# KiCad board 6502PC-6U.kicad_pcb (continued)
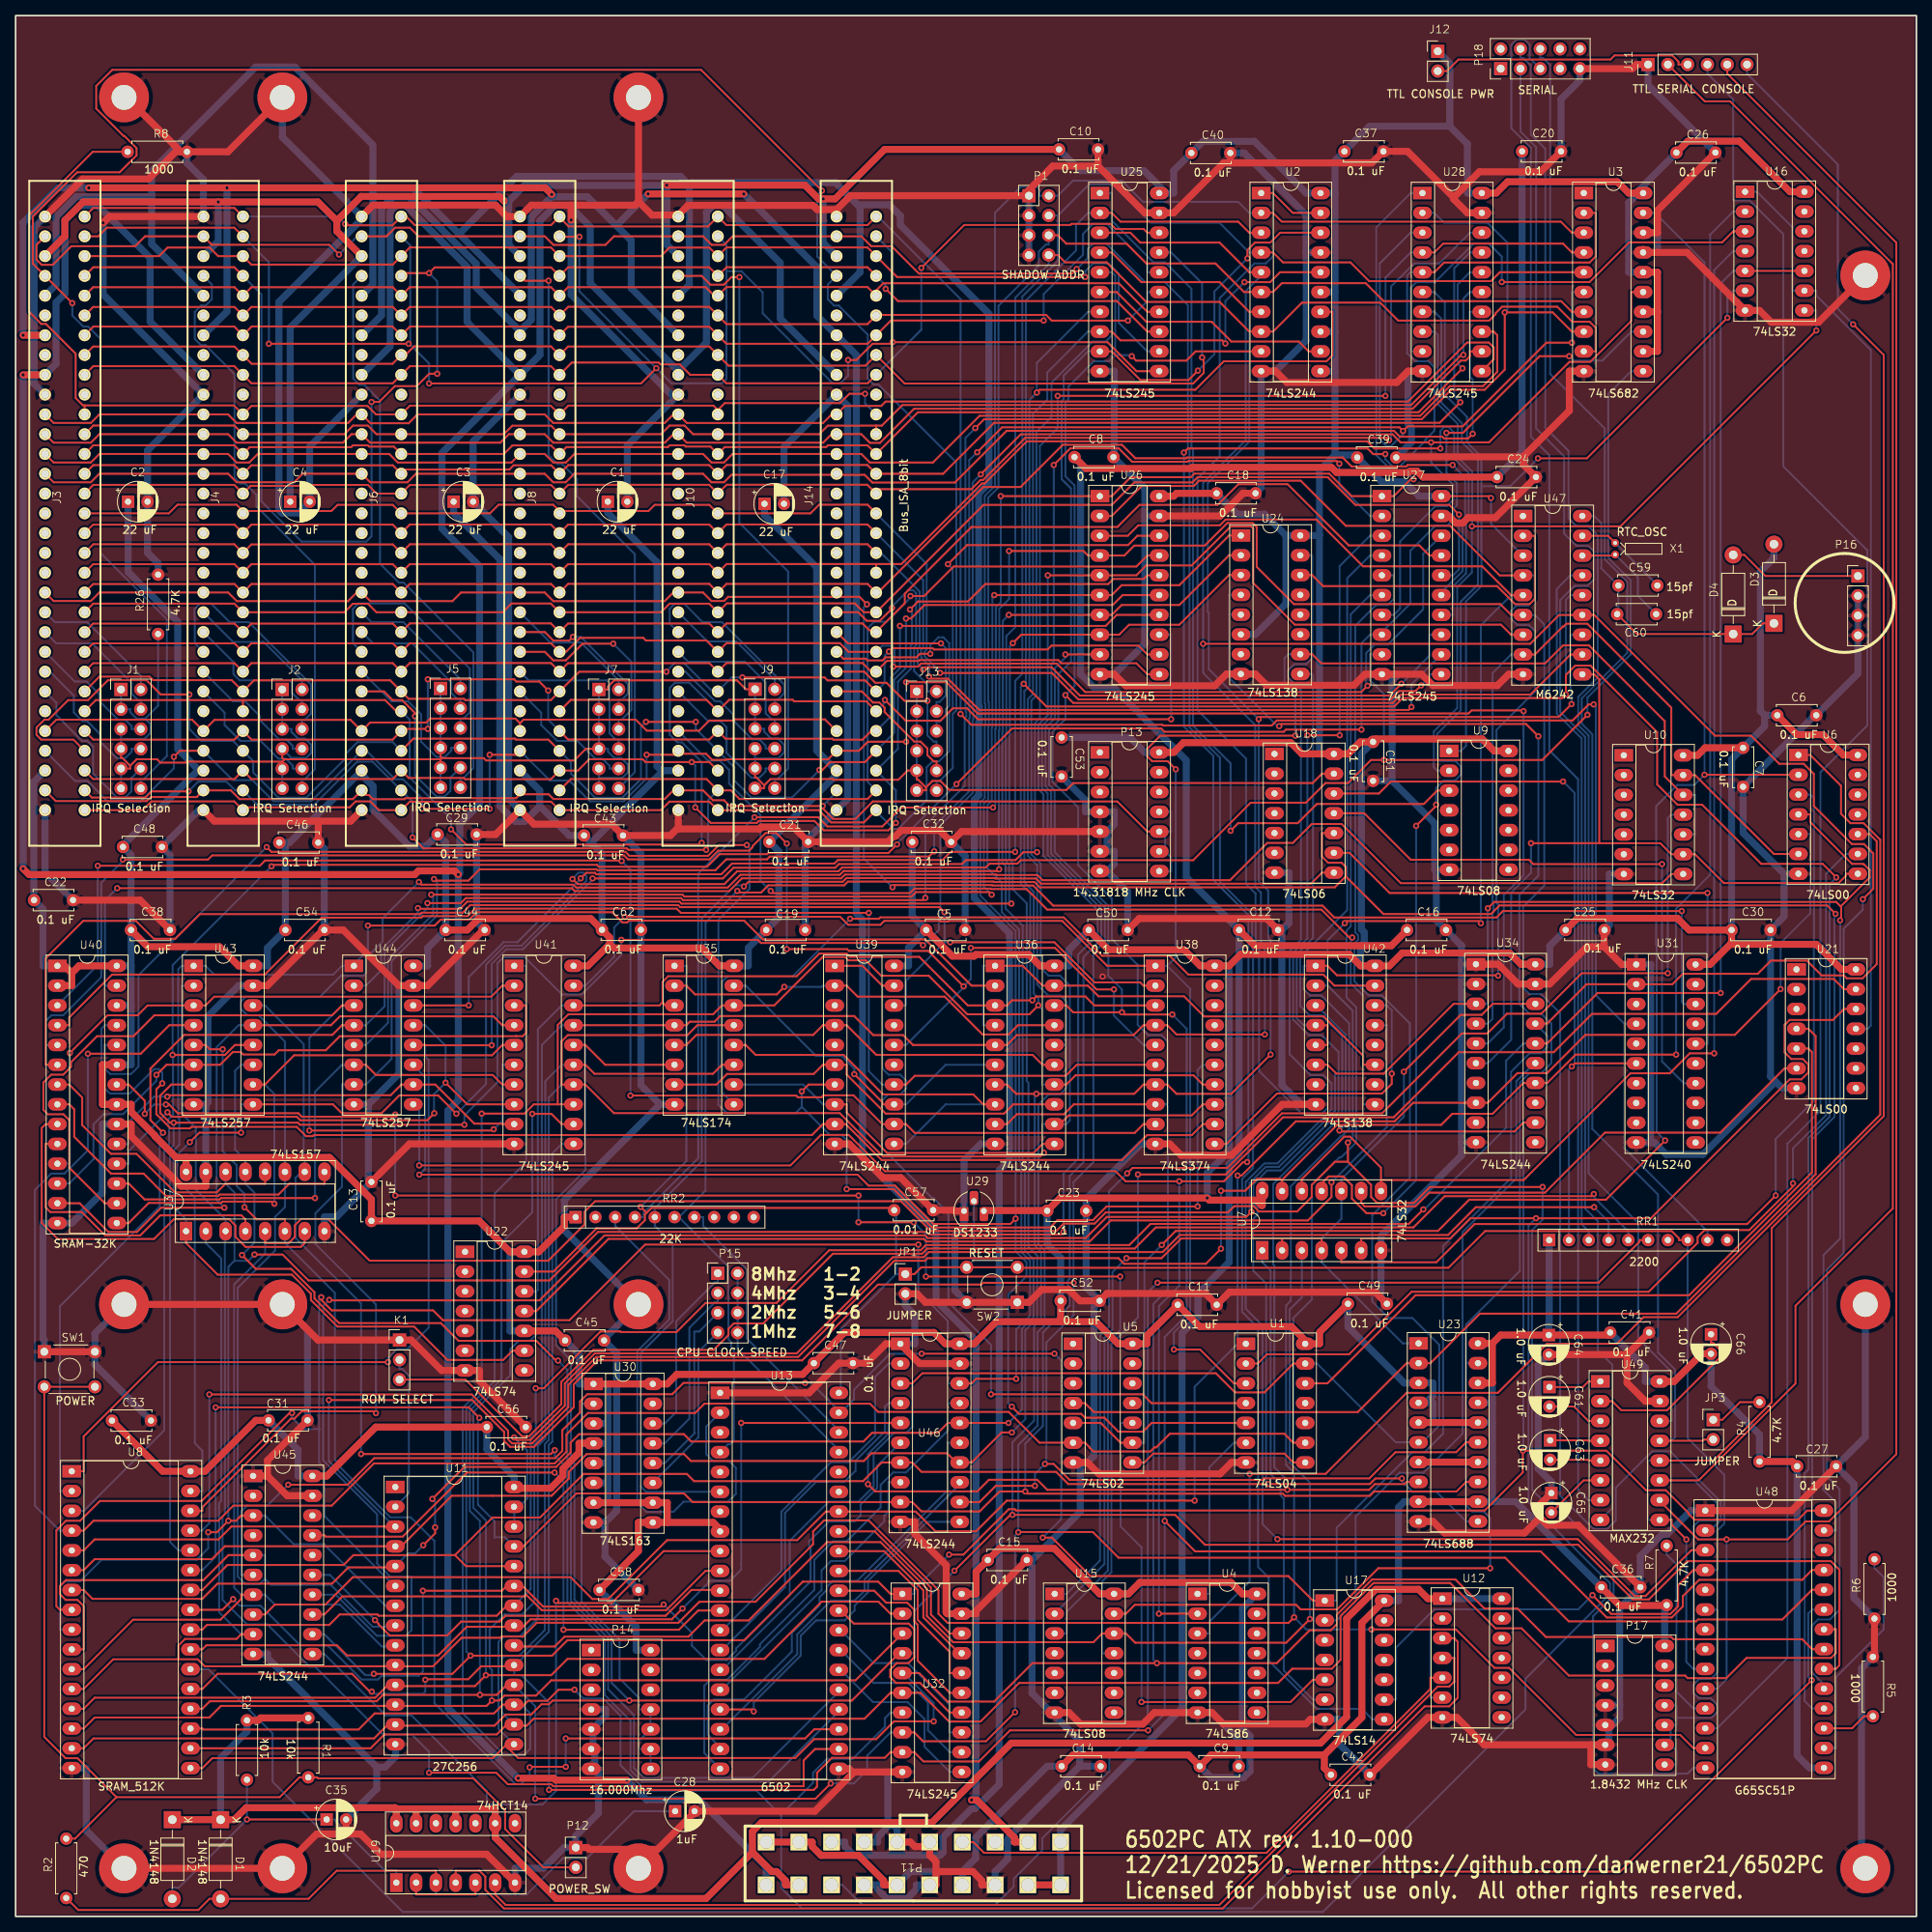
[diagram p0: board, top side]
## Library data of the parts
C1-C4 C17 C28 C35 C61 C63-C66 = -: Description: Polarized capacitor; ki_fp_filters: CP_*
C5-C16 C18-C27 C29-C33 C36-C54 C56-C60 C62 = -: Description: Unpolarized capacitor; ki_fp_filters: C_*
D1 D2 = -: Description: Diode; Sim.Device: D; Sim.Pins: 1=K 2=A; ki_fp_filters: TO-???* *_Diode_* *SingleDiode* D_*
D3 D4 = -: Description: Diode; Sim.Pins: 1=K 2=A; ki_fp_filters: TO-???* *_Diode_* *SingleDiode* D_*
J1 J2 J5 J7 J9 J13 = -: Description: Generic connector, double row, 02x06, odd/even pin numbering scheme (row 1 odd numbers, row 2 even numbers), script generated (kicad-library-utils/schlib/autogen/connector/); ki_fp_filters: Connector*:*_2x??_*
J3 J4 J6 J8 J10 J14 = -: Datasheet: https://en.wikipedia.org/wiki/Industry_Standard_Architecture; Description: 8-bit ISA-PC bus connector
J11 = -: Description: Generic connector, single row, 01x06, script generated (kicad-library-utils/schlib/autogen/connector/); ki_fp_filters: Connector*:*_1x??_*
J12 JP1 P12 = -: Description: Generic connector, single row, 01x02, script generated (kicad-library-utils/schlib/autogen/connector/); ki_fp_filters: Connector*:*_1x??_*
JP3 = -: Description: Jumper, 2-pole, open; ki_fp_filters: Jumper* TestPoint*2Pads* TestPoint*Bridge*
K1 = -: Description: Generic connector, single row, 01x03, script generated (kicad-library-utils/schlib/autogen/connector/); ki_fp_filters: Connector*:*_1x??_*
P1 P15 = -: Description: Generic connector, double row, 02x04, odd/even pin numbering scheme (row 1 odd numbers, row 2 even numbers), script generated (kicad-library-utils/schlib/autogen/connector/); ki_fp_filters: Connector*:*_2x??_*
P2-P10 P21-P23 = -: Description: Mounting Hole with connection; ki_fp_filters: MountingHole*Pad*
P11 = -: Description: Generic connector, double row, 02x10, odd/even pin numbering scheme (row 1 odd numbers, row 2 even numbers), script generated (kicad-library-utils/schlib/autogen/connector/); ki_fp_filters: Connector*:*_2x??_*
P16 = -: Description: Generic connector, single row, 01x04, script generated (kicad-library-utils/schlib/autogen/connector/); ki_fp_filters: Connector*:*_1x??_*
P18 = -: Description: Generic connector, double row, 02x05, odd/even pin numbering scheme (row 1 odd numbers, row 2 even numbers), script generated (kicad-library-utils/schlib/autogen/connector/); ki_fp_filters: Connector*:*_2x??_*
R1-R8 R26 = -: Description: Resistor; ki_fp_filters: R_*
RR1 RR2 = -: Datasheet: http://www.vishay.com/docs/31509/csc.pdf; Description: 9 resistor network, star topology, bussed resistors, small symbol; ki_fp_filters: R?Array?SIP*
SW1 SW2 = -: Description: Push button switch, generic, two pins
U1 = -: Datasheet: http://www.ti.com/lit/gpn/sn74LS04; Description: Hex Inverter; ki_fp_filters: DIP*W7.62mm* SSOP?14* TSSOP?14*
U2 U34 U36 U39 U45 U46 = -: Datasheet: http://www.ti.com/lit/ds/symlink/sn74ls244.pdf; Description: Octal Buffer and Line Driver With 3-State Output, active-low enables, non-inverting outputs; ki_fp_filters: DIP?20*
U4 = -: Datasheet: 74xx/74ls86.pdf; Description: Quad 2-input XOR; ki_fp_filters: DIP*W7.62mm*
U5 = -: Datasheet: http://www.ti.com/lit/gpn/sn74ls02; Description: quad 2-input NOR gate; ki_fp_filters: SO14* DIP*W7.62mm*
U6 U21 = -: Datasheet: http://www.ti.com/lit/gpn/sn74ls00; Description: quad 2-input NAND gate; ki_fp_filters: DIP*W7.62mm* SO14*
U7 U10 U16 = -: Datasheet: http://www.ti.com/lit/gpn/sn74LS32; Description: Quad 2-input OR; ki_fp_filters: DIP?14*
U8 = -: Datasheet: https://www.alliancememory.com/wp-content/uploads/pdf/AS6C4008.pdf; Description: 512K x 8 Low Power CMOS RAM, DIP-32; ki_fp_filters: DIP*W15.24mm*
U9 U15 = -: Datasheet: http://www.ti.com/lit/gpn/sn74LS08; Description: Quad And2; ki_fp_filters: DIP*W7.62mm*
U11 = -: Datasheet: http://ww1.microchip.com/downloads/en/DeviceDoc/doc0014.pdf; Description: OTP EPROM 256 KiBit; ki_fp_filters: DIP*W15.24mm*
U12 U22 = -: Datasheet: 74xx/74hc_hct74.pdf; Description: Dual D Flip-flop, Set & Reset; ki_fp_filters: DIP*W7.62mm*
U13 = -: Datasheet: http://www.6502.org/documents/datasheets/mos/mos_6500_mpu_mar_1980.pdf; Description: 8-bit NMOS Microprocessor, 64K, DIP-40; ki_fp_filters: DIP*W15.24mm*
U17 U19 = -: Datasheet: http://www.ti.com/lit/gpn/sn74LS14; Description: Hex inverter schmitt trigger; ki_fp_filters: DIP*W7.62mm*
U18 = -: Datasheet: http://www.ti.com/lit/gpn/sn74LS06; Description: Inverter Open Collect; ki_fp_filters: DIP*W7.62mm*
U23 = -: Datasheet: http://www.ti.com/lit/gpn/sn74LS688; Description: 8-bit magnitude comparator; ki_fp_filters: DIP?20* SOIC?20* SO?20* TSSOP?20*
U24 U42 = -: Datasheet: http://www.ti.com/lit/gpn/sn74LS138; Description: Decoder 3 to 8 active low outputs; ki_fp_filters: DIP?16*
U25-U28 U32 U41 = -: Datasheet: http://www.ti.com/lit/gpn/sn74LS245; Description: Octal BUS Transceivers, 3-State outputs; ki_fp_filters: DIP?20*
U29 = -: ki_fp_filters: Connector*:*_1x??_*
U30 = -: Datasheet: http://www.ti.com/lit/gpn/sn74LS163; Description: Synchronous 4-bit programmable binary Counter; ki_fp_filters: DIP?16*
U31 = -: Datasheet: http://www.ti.com/lit/ds/symlink/sn74ls240.pdf; Description: Octal Buffer and Line Driver With 3-State Output, active-low enables, inverting outputs; ki_fp_filters: DIP?20*
U35 = -: Datasheet: http://www.ti.com/lit/gpn/sn74LS174; Description: Hex D-type Flip-Flop, reset; ki_fp_filters: DIP?16*
U37 = -: Datasheet: http://www.ti.com/lit/gpn/sn74LS157; Description: Quad 2 to 1 line Multiplexer; ki_fp_filters: DIP?16*
U38 = -: Datasheet: http://www.ti.com/lit/gpn/sn74LS374; Description: 8-bit Register, 3-state outputs; ki_fp_filters: DIP?20* SOIC?20* SO?20*
U40 = -: Datasheet: https://ecee.colorado.edu/~mcclurel/Cypress_SRAM_CY62256.pdf; Description: 256K (32K x 8) Static RAM, 70ns, DIP-28; ki_fp_filters: DIP*W15.24mm*
U43 U44 = -: Datasheet: http://www.ti.com/lit/gpn/sn74LS257; Description: Quad 2 to 1 Multiplexer; ki_fp_filters: DIP?16*
U48 = -: Datasheet: http://www.westerndesigncenter.com/wdc/documentation/w65c51n.pdf; Description: CMOS Asynchronous Communication Interface Adapter (ACIA), Serial UART, DIP-28; ki_fp_filters: DIP*W15.24mm*
U49 = -: Datasheet: http://www.ti.com/lit/ds/symlink/max232.pdf; Description: Dual RS232 driver/receiver, 5V supply, 120kb/s, 0C-70C; ki_fp_filters: SOIC*P1.27mm* DIP*W7.62mm* TSSOP*4.4x5mm*P0.65mm*
X1 = -: Description: Two pin crystal; Field1: 32.768 KHz; ki_fp_filters: Crystal*

## Footprints (pads in the part's own frame, mm; a bottom-side part is the same pattern mirrored in y, then rotated)
ATXConnector
  rect 2.126x2.126 hole 1.699: 1(-19.164,2.725) 2(-19.164,-2.776) 3(-14.963,2.725) 4(-14.963,-2.776) 5(-10.765,2.725) 6(-10.765,-2.776) 7(-6.563,2.725) 8(-6.563,-2.776) 9(-2.365,2.725) 10(-2.365,-2.776) 11(1.836,2.725) 12(1.836,-2.776) 13(6.035,2.725) 14(6.035,-2.776) 15(10.236,2.725) 16(10.236,-2.776) 17(14.435,2.725) 18(14.435,-2.776) 19(18.636,2.725) 20(18.636,-2.776)
BUSPC_HOST
  round 1.524 hole 1.016: 1(36.068,2.032) 2(33.528,2.032) 3(30.988,2.032) 4(28.448,2.032) 5(25.908,2.032) 6(23.368,2.032) 7(20.828,2.032) 8(18.288,2.032) 9(15.748,2.032) 10(13.208,2.032) 11(10.668,2.032) 12(8.128,2.032) 13(5.588,2.032) 14(3.048,2.032) 15(0.508,2.032) 16(-2.032,2.032) 17(-4.572,2.032) 18(-7.112,2.032) 19(-9.652,2.032) 20(-12.192,2.032) 21(-14.732,2.032) 22(-17.272,2.032) 23(-19.812,2.032) 24(-22.352,2.032) 25(-24.892,2.032) 26(-27.432,2.032) 27(-29.972,2.032) 28(-32.512,2.032) 29(-35.052,2.032) 30(-37.592,2.032) 31(-40.132,2.032) 32(36.068,-3.048) 33(33.528,-3.048) 34(30.988,-3.048) 35(28.448,-3.048) 36(25.908,-3.048) 37(23.368,-3.048) 38(20.828,-3.048) 39(18.288,-3.048) 40(15.748,-3.048) 41(13.208,-3.048) 42(10.668,-3.048) 43(8.128,-3.048) 44(5.588,-3.048) 45(3.048,-3.048) 46(0.508,-3.048) 47(-2.032,-3.048) 48(-4.572,-3.048) 49(-7.112,-3.048) 50(-9.652,-3.048) 51(-12.192,-3.048) 52(-14.732,-3.048) 53(-17.272,-3.048) 54(-19.812,-3.048) 55(-22.352,-3.048) 56(-24.892,-3.048) 57(-27.432,-3.048) 58(-29.972,-3.048) 59(-32.512,-3.048) 60(-35.052,-3.048) 61(-37.592,-3.048) 62(-40.132,-3.048)
DDW_STD_RTCCRYSTAL
  round 1 hole 0.5: 1(-0.776,3.552) 2(0.724,3.552)
MountingHole_3.2mm_M3_Pad_TopBottom
  round 3.6 hole 3.2: 1(0,0)
  round 6.4 smd: 1(0,0)
  round 6.4 smd far side: 1(0,0)
STD_DDW_CAP
  round 1.6 hole 0.8: 1(-2.494,-0.024) 2(2.506,-0.024)
STD_DDW_DIODE
  rect 2.2x2.2 hole 1.1: 1(-5.414,0.076)
  oval 2.2x2.2 hole 1.1: 2(4.746,0.076)
STD_DDW_DIP14
  rect 2.4x1.6 hole 0.8: 1(-3.816,7.706)
  oval 2.4x1.6 hole 0.8: 2(-3.816,5.166) 3(-3.816,2.626) 4(-3.816,0.086) 5(-3.816,-2.454) 6(-3.816,-4.994) 7(-3.816,-7.534) 8(3.804,-7.534) 9(3.804,-4.994) 10(3.804,-2.454) 11(3.804,0.086) 12(3.804,2.626) 13(3.804,5.166) 14(3.804,7.706)
STD_DDW_DIP16
  rect 2.4x1.6 hole 0.8: 1(-3.816,8.986)
  oval 2.4x1.6 hole 0.8: 2(-3.816,6.446) 3(-3.816,3.906) 4(-3.816,1.366) 5(-3.816,-1.174) 6(-3.816,-3.714) 7(-3.816,-6.254) 8(-3.816,-8.794) 9(3.804,-8.794) 10(3.804,-6.254) 11(3.804,-3.714) 12(3.804,-1.174) 13(3.804,1.366) 14(3.804,3.906) 15(3.804,6.446) 16(3.804,8.986)
STD_DDW_DIP18
  rect 2.4x1.6 hole 0.8: 1(-4.07,10.216)
  oval 2.4x1.6 hole 0.8: 2(-4.07,7.676) 3(-4.07,5.136) 4(-4.07,2.596) 5(-4.07,0.056) 6(-4.07,-2.484) 7(-4.07,-5.024) 8(-4.07,-7.564) 9(-4.07,-10.104) 10(3.55,-10.104) 11(3.55,-7.564) 12(3.55,-5.024) 13(3.55,-2.484) 14(3.55,0.056) 15(3.55,2.596) 16(3.55,5.136) 17(3.55,7.676) 18(3.55,10.216)
STD_DDW_DIP20
  rect 2.4x1.6 hole 0.8: 1(-3.816,11.496)
  oval 2.4x1.6 hole 0.8: 2(-3.816,8.956) 3(-3.816,6.416) 4(-3.816,3.876) 5(-3.816,1.336) 6(-3.816,-1.204) 7(-3.816,-3.744) 8(-3.816,-6.284) 9(-3.816,-8.824) 10(-3.816,-11.364) 11(3.804,-11.364) 12(3.804,-8.824) 13(3.804,-6.284) 14(3.804,-3.744) 15(3.804,-1.204) 16(3.804,1.336) 17(3.804,3.876) 18(3.804,6.416) 19(3.804,8.956) 20(3.804,11.496)
STD_DDW_DIP28
  rect 2.4x1.6 hole 0.8: 1(-7.656,16.362)
  oval 2.4x1.6 hole 0.8: 2(-7.656,13.822) 3(-7.656,11.282) 4(-7.656,8.742) 5(-7.656,6.202) 6(-7.656,3.662) 7(-7.656,1.122) 8(-7.656,-1.418) 9(-7.656,-3.958) 10(-7.656,-6.498) 11(-7.656,-9.038) 12(-7.656,-11.578) 13(-7.656,-14.118) 14(-7.656,-16.658) 15(7.584,-16.658) 16(7.584,-14.118) 17(7.584,-11.578) 18(7.584,-9.038) 19(7.584,-6.498) 20(7.584,-3.958) 21(7.584,-1.418) 22(7.584,1.122) 23(7.584,3.662) 24(7.584,6.202) 25(7.584,8.742) 26(7.584,11.282) 27(7.584,13.822) 28(7.584,16.362)
STD_DDW_DIP28_SKINNY
  rect 2.4x1.6 hole 0.8: 1(-3.81,16.51)
  oval 2.4x1.6 hole 0.8: 2(-3.81,13.97) 3(-3.81,11.43) 4(-3.81,8.89) 5(-3.81,6.35) 6(-3.81,3.81) 7(-3.81,1.27) 8(-3.81,-1.27) 9(-3.81,-3.81) 10(-3.81,-6.35) 11(-3.81,-8.89) 12(-3.81,-11.43) 13(-3.81,-13.97) 14(-3.81,-16.51) 15(3.81,-16.51) 16(3.81,-13.97) 17(3.81,-11.43) 18(3.81,-8.89) 19(3.81,-6.35) 20(3.81,-3.81) 21(3.81,-1.27) 22(3.81,1.27) 23(3.81,3.81) 24(3.81,6.35) 25(3.81,8.89) 26(3.81,11.43) 27(3.81,13.97) 28(3.81,16.51)
STD_DDW_DIP32
  rect 2.4x1.6 hole 0.8: 1(-7.656,19.126)
  oval 2.4x1.6 hole 0.8: 2(-7.656,16.586) 3(-7.656,14.046) 4(-7.656,11.506) 5(-7.656,8.966) 6(-7.656,6.426) 7(-7.656,3.886) 8(-7.656,1.346) 9(-7.656,-1.194) 10(-7.656,-3.734) 11(-7.656,-6.274) 12(-7.656,-8.814) 13(-7.656,-11.354) 14(-7.656,-13.894) 15(-7.656,-16.434) 16(-7.656,-18.974) 17(7.584,-18.974) 18(7.584,-16.434) 19(7.584,-13.894) 20(7.584,-11.354) 21(7.584,-8.814) 22(7.584,-6.274) 23(7.584,-3.734) 24(7.584,-1.194) 25(7.584,1.346) 26(7.584,3.886) 27(7.584,6.426) 28(7.584,8.966) 29(7.584,11.506) 30(7.584,14.046) 31(7.584,16.586) 32(7.584,19.126)
STD_DDW_DIP40
  rect 2.4x1.6 hole 0.8: 1(-7.594,24.054)
  oval 2.4x1.6 hole 0.8: 2(-7.594,21.514) 3(-7.594,18.974) 4(-7.594,16.434) 5(-7.594,13.894) 6(-7.594,11.354) 7(-7.594,8.814) 8(-7.594,6.274) 9(-7.594,3.734) 10(-7.594,1.194) 11(-7.594,-1.346) 12(-7.594,-3.886) 13(-7.594,-6.426) 14(-7.594,-8.966) 15(-7.594,-11.506) 16(-7.594,-14.046) 17(-7.594,-16.586) 18(-7.594,-19.126) 19(-7.594,-21.666) 20(-7.594,-24.206) 21(7.646,-24.206) 22(7.646,-21.666) 23(7.646,-19.126) 24(7.646,-16.586) 25(7.646,-14.046) 26(7.646,-11.506) 27(7.646,-8.966) 28(7.646,-6.426) 29(7.646,-3.886) 30(7.646,-1.346) 31(7.646,1.194) 32(7.646,3.734) 33(7.646,6.274) 34(7.646,8.814) 35(7.646,11.354) 36(7.646,13.894) 37(7.646,16.434) 38(7.646,18.974) 39(7.646,21.514) 40(7.646,24.054)
STD_DDW_PCAP
  rect 1.6x1.6 hole 0.8: 1(-1.353,0.007)
  round 1.6 hole 0.8: 2(1.147,0.007)
STD_DDW_PINHEAD_V_1x02
  rect 1.7x1.7 hole 1: 1(-0.022,1.048)
  oval 1.7x1.7 hole 1: 2(-0.022,-1.492)
STD_DDW_PINHEAD_V_1x03
  rect 1.7x1.7 hole 1: 1(-0.022,2.532)
  oval 1.7x1.7 hole 1: 2(-0.022,-0.008) 3(-0.022,-2.548)
STD_DDW_PINHEAD_V_1x04
  rect 1.7x1.7 hole 1: 1(0.022,4.296)
  oval 1.7x1.7 hole 1: 2(0.022,1.756) 3(0.022,-0.784) 4(0.022,-3.324)
STD_DDW_PINHEAD_V_1x06
  rect 1.7x1.7 hole 1: 1(0.486,6.88)
  oval 1.7x1.7 hole 1: 2(0.486,4.34) 3(0.486,1.8) 4(0.486,-0.74) 5(0.486,-3.28) 6(0.486,-5.82)
STD_DDW_PINHEAD_V_2x04
  rect 1.7x1.7 hole 1: 1(-1.302,3.558)
  oval 1.7x1.7 hole 1: 2(1.238,3.558) 3(-1.302,1.018) 4(1.238,1.018) 5(-1.302,-1.522) 6(1.238,-1.522) 7(-1.302,-4.062) 8(1.238,-4.062)
STD_DDW_PINHEAD_V_2x05
  rect 1.7x1.7 hole 1: 1(-1.302,4.584)
  oval 1.7x1.7 hole 1: 2(1.238,4.584) 3(-1.302,2.044) 4(1.238,2.044) 5(-1.302,-0.496) 6(1.238,-0.496) 7(-1.302,-3.036) 8(1.238,-3.036) 9(-1.302,-5.576) 10(1.238,-5.576)
STD_DDW_PINHEAD_V_2x06
  rect 1.7x1.7 hole 1: 1(-1.302,6.096)
  oval 1.7x1.7 hole 1: 2(1.238,6.096) 3(-1.302,3.556) 4(1.238,3.556) 5(-1.302,1.016) 6(1.238,1.016) 7(-1.302,-1.524) 8(1.238,-1.524) 9(-1.302,-4.064) 10(1.238,-4.064) 11(-1.302,-6.604) 12(1.238,-6.604)
STD_DDW_RESISTOR
  round 1.6 hole 0.8: 1(-3.776,0.23)
  oval 1.6x1.6 hole 0.8: 2(3.844,0.23)
STD_DDW_SIP10
  rect 1.6x1.6 hole 0.8: 1(-12.612,-1.906)
  oval 1.6x1.6 hole 0.8: 2(-10.072,-1.906) 3(-7.532,-1.906) 4(-4.992,-1.906) 5(-2.452,-1.906) 6(0.088,-1.906) 7(2.628,-1.906) 8(5.168,-1.906) 9(7.708,-1.906) 10(10.248,-1.906)
STD_DDW_TACTSW
  rect 1.7x1.7 hole 1: 1(-3.282,2.298)
  round 1.7 hole 1: 1(3.218,2.298) 2(-3.282,-2.202) 2(3.218,-2.202)
STD_DDW_TO92
  rect 1.1x1.8 hole 0.75: 1(-1.206,-0.022)
  rrect 1.1x1.8 hole 0.75: 2(0.064,1.248) 3(1.334,-0.022)

## Nets
5VSB: D1.1 D2.1 P11.17 R1.1 R3.2 U12.1 U12.14 U19.9 U19.11 U19.13 U19.14
+3V3: C8.1 C12.1 C16.1 C20.1 C24.1 P11.1 P11.2 P11.3
+5V: C1.1 C2.1 C3.1 C4.1 C5.1 C6.1 C7.1 C9.1 C10.1 C11.1 C13.1 C14.1 C15.1 C17.1 C18.1 C19.1 C21.1 C22.1 C23.1 C25.1 C26.1 C27.1 C29.1 C30.1 C31.1 C32.1 C33.1 C36.1 C37.1 C38.1 C39.1 C40.1 C41.1 C42.1 C43.1 C44.1 C45.1 C46.1 C47.1 C48.1 C49.1 C50.1 C51.1 C52.1 C53.1 C54.1 C56.1 C58.1 C62.1 C64.1 C66.2 D3.2 J3.3 J3.29 J4.3 J4.29 J6.3 J6.29 J8.3 J8.29 J10.3 J10.29 J12.1 J14.3 J14.29 P11.7 P11.11 P11.18 P11.20 P13.14 P14.14 P17.14 R4.1 R7.1 RR1.1 RR2.1 U1.14 U2.11 U2.13 U2.15 U2.20 U3.12 U3.14 U3.16 U3.20 U4.14 U5.14 U6.14 U7.14 U8.32 U9.14 U10.14 U11.28 U13.8 U15.14 U16.14 U17.14 U18.14 U21.14 U22.10 U22.14 U23.3 U23.4 U23.5 U23.7 U23.9 U23.12 U23.14 U23.16 U23.17 U23.18 U23.20 U24.6 U24.16 U25.20 U26.20 U27.20 U28.20 U29.3 U30.1 U30.3 U30.4 U30.5 U30.6 U30.7 U30.9 U30.10 U30.16 U31.20 U32.20 U34.20 U35.16 U36.20 U37.16 U38.20 U39.20 U40.1 U40.2 U40.21 U40.23 U40.26 U40.28 U41.20 U42.16 U43.16 U44.16 U45.20 U46.20 U47.3 U48.15 U49.16
+12V: J3.9 J4.9 J6.9 J8.9 J10.9 J14.9 P11.19
-5V: J3.5 J4.5 J6.5 J8.5 J10.5 J14.5 P11.16
-12V: J3.7 J4.7 J6.7 J8.7 J10.7 J14.7 P11.4
GND: C1.2 C2.2 C3.2 C4.2 C5.2 C6.2 C7.2 C8.2 C9.2 C10.2 C11.2 C12.2 C13.2 C14.2 C15.2 C16.2 C17.2 C18.2 C19.2 C20.2 C21.2 C22.2 C23.2 C24.2 C25.2 C26.2 C27.2 C28.2 C29.2 C30.2 C31.2 C32.2 C33.2 C35.2 C36.2 C37.2 C38.2 C39.2 C40.2 C41.2 C42.2 C43.2 C44.2 C45.2 C46.2 C47.2 C48.2 C49.2 C50.2 C51.2 C52.2 C53.2 C54.2 C56.2 C57.2 C58.2 C62.2 C64.2 C65.1 J3.1 J3.10 J3.31 J4.1 J4.10 J4.31 J6.1 J6.10 J6.31 J8.1 J8.10 J8.31 J10.1 J10.10 J10.31 J11.1 J14.1 J14.10 J14.31 JP1.2 K1.1 P1.1 P1.3 P1.5 P1.7 P2.1 P3.1 P4.1 P5.1 P6.1 P7.1 P8.1 P9.1 P10.1 P11.5 P11.6 P11.9 P11.10 P11.12 P11.13 P11.14 P12.1 P13.4 P13.5 P13.6 P13.7 P14.4 P14.5 P14.6 P14.7 P16.2 P16.3 P16.4 P17.4 P17.5 P17.6 P17.7 P18.9 P21.1 P22.1 P23.1 R5.1 R6.1 R8.2 R26.2 SW1.1 SW2.1 U1.7 U2.10 U2.17 U3.10 U3.17 U3.18 U4.7 U5.7 U6.7 U7.7 U8.16 U9.7 U10.7 U11.14 U12.7 U13.1 U13.21 U15.7 U16.7 U17.7 U18.7 U19.7 U21.7 U22.7 U23.10 U24.8 U25.10 U25.19 U26.10 U26.19 U27.10 U27.19 U28.10 U28.19 U29.1 U30.8 U31.1 U31.10 U32.10 U32.19 U34.1 U34.2 U34.10 U34.19 U35.8 U36.10 U37.8 U37.15 U38.10 U39.10 U40.14 U40.20 U41.10 U42.8 U43.8 U43.15 U44.8 U44.15 U45.1 U45.10 U45.19 U46.1 U46.10 U46.19 U47.9 U48.1 U49.15
/AEN: J3.42 J4.42 J6.42 J8.42 J10.42 J14.42 R8.1
/BUS: U16.1 U16.9 U21.11
/BUSAK: RR2.4 U26.1 U27.1 U28.1
/IORQ: U7.8 U7.12 U16.4
/IOSEL-0EF80: U24.15 U48.3
/IOSEL-0EF90: U24.14 U47.2
/IOSEL-0EFA0: U24.13
/IOSEL-0EFB0: U24.12
/IOSEL-0EFC0: U24.11
/IOSEL-0EFD0: U1.3 U10.10 U10.12 U24.10 U38.1 U41.19
/IOSEL-0EFE0: U24.9 U42.4 U42.5
/IOSEL-0EFF0: U24.7
/IRQ: RR2.6 U13.4 U18.10 U48.26
/Memory Map/SHADOW-ROM: U5.10 U17.5
/MMU four//OE: U15.3 U40.22
/MMU-ENB-WR: U22.11 U42.13
/MMU-IO-PREFIX-RD: U2.1 U2.19 U42.7
/MMU-MAP-RD: U10.11 U15.1
/MMU-MAP-WR: U10.8 U40.27
/MMU-TASK-RD: U36.1 U36.4 U36.19 U42.11
/MMU-TASK-SETUP-WR: U38.11 U42.14
/MMU-TASK-WR: U35.9 U42.15
/NMI: RR2.5 U13.6 U18.8
/ONBOARDIO: U15.13 U23.19 U24.4 U24.5
/ONBOARDRAM: U7.6 U8.22 U21.12
/ONBOARDROM: U7.3 U11.20 U15.12
/RD: U8.24 U11.22 U16.5 U16.10 U34.16
/RESET: C57.1 JP1.1 RR1.8 SW2.2 U13.40 U17.9 U22.13 U29.2 U35.1 U48.4
/SHADOW: U3.19 U5.5 U5.9 U6.2
/SO: RR2.7 U13.38
/VMA: U7.2 U7.4 U7.10 U15.2 U23.1 U34.18
/WR: U7.13 U8.29 U16.2 U34.14
ACIA_CLK: P17.8 P17.9 P17.10 P17.11 U48.6
B_/CLK: J3.20 J4.20 J6.20 J8.20 J10.20 J14.20 U31.18
B_/INT: RR1.2 U18.12 U31.6
B_/NMI: J3.32 J4.32 J6.32 J8.32 J10.32 J14.32 RR1.9 U31.4
B_A0: J3.62 J4.62 J6.62 J8.62 J10.62 J14.62 U26.18
B_A1: J3.61 J4.61 J6.61 J8.61 J10.61 J14.61 U26.17
B_A2: J3.60 J4.60 J6.60 J8.60 J10.60 J14.60 U26.16
B_A3: J3.59 J4.59 J6.59 J8.59 J10.59 J14.59 U26.15
B_A4: J3.58 J4.58 J6.58 J8.58 J10.58 J14.58 U26.14
B_A5: J3.57 J4.57 J6.57 J8.57 J10.57 J14.57 U26.13
B_A6: J3.56 J4.56 J6.56 J8.56 J10.56 J14.56 U26.12
B_A7: J3.55 J4.55 J6.55 J8.55 J10.55 J14.55 U26.11
B_A8: J3.54 J4.54 J6.54 J8.54 J10.54 J14.54 U27.18
B_A9: J3.53 J4.53 J6.53 J8.53 J10.53 J14.53 U27.17
B_A10: J3.52 J4.52 J6.52 J8.52 J10.52 J14.52 U27.16
B_A11: J3.51 J4.51 J6.51 J8.51 J10.51 J14.51 U27.15
B_A12: J3.50 J4.50 J6.50 J8.50 J10.50 J14.50 U27.14
B_A13: J3.49 J4.49 J6.49 J8.49 J10.49 J14.49 U27.13
B_A14: J3.48 J4.48 J6.48 J8.48 J10.48 J14.48 U27.12
B_A15: J3.47 J4.47 J6.47 J8.47 J10.47 J14.47 U27.11
B_A16: J3.46 J4.46 J6.46 J8.46 J10.46 J14.46 U28.18
B_A17: J3.45 J4.45 J6.45 J8.45 J10.45 J14.45 U28.17
B_A18: J3.44 J4.44 J6.44 J8.44 J10.44 J14.44 U28.16
B_A19: J3.43 J4.43 J6.43 J8.43 J10.43 J14.43 U28.15
B_D0: J3.40 J4.40 J6.40 J8.40 J10.40 J14.40 U25.18
B_D1: J3.39 J4.39 J6.39 J8.39 J10.39 J14.39 U25.17
B_D2: J3.38 J4.38 J6.38 J8.38 J10.38 J14.38 U25.16
B_D3: J3.37 J4.37 J6.37 J8.37 J10.37 J14.37 U25.15
B_D4: J3.36 J4.36 J6.36 J8.36 J10.36 J14.36 U25.14
B_D5: J3.35 J4.35 J6.35 J8.35 J10.35 J14.35 U25.13
B_D6: J3.34 J4.34 J6.34 J8.34 J10.34 J14.34 U25.12
B_D7: J3.33 J4.33 J6.33 J8.33 J10.33 J14.33 U25.11
B_INT: J1.1 J1.3 J1.5 J1.7 J1.9 J1.11 J2.1 J2.3 J2.5 J2.7 J2.9 J2.11 J5.1 J5.3 J5.5 J5.7 J5.9 J5.11 J7.1 J7.3 J7.5 J7.7 J7.9 J7.11 J9.1 J9.3 J9.5 J9.7 J9.9 J9.11 J13.1 J13.3 J13.5 J13.7 J13.9 J13.11 R26.1 U18.13
B_IOR: J3.14 J4.14 J6.14 J8.14 J10.14 J14.14 U28.14
B_IOW: J3.13 J4.13 J6.13 J8.13 J10.13 J14.13 U28.13
B_SMEMR: J3.12 J4.12 J6.12 J8.12 J10.12 J14.12 U28.12
B_SMEMW: J3.11 J4.11 J6.11 J8.11 J10.11 J14.11 U28.11
BUSALE: J3.28 J4.28 J6.28 J8.28 J10.28 J14.28 U34.5
BUSCLK: J3.30 J4.30 J6.30 J8.30 J10.30 J14.30 P13.8 P13.9 P13.10 P13.11
CLK: P15.2 P15.4 P15.6 P15.8 U13.37
CPU_/RD: U6.6 U10.13 U34.4 U47.8
CPU_/WR: U6.8 U10.9 U34.6 U47.10
CPU_D0: U13.33 U32.18
CPU_D1: U13.32 U32.17
CPU_D2: U13.31 U32.16
CPU_D3: U13.30 U32.15
CPU_D4: U13.29 U32.14
CPU_D5: U13.28 U32.13
CPU_D6: U13.27 U32.12
CPU_D7: U13.26 U32.11
CPU_E: U6.10 U13.39 U17.1 U31.2 U34.17 U45.6
CPU_R/W: U1.1 U6.5 U13.34 U34.8 U45.8
CTS: JP3.2 P18.6 U49.13
CTS_TTL: J11.6 U48.9 U49.9 U49.12
DCD: R6.2 U48.16
DSR: R5.2 U48.17
DTR: R7.2 U48.11
E: U6.4 U34.3 U42.6 U45.14 U48.27
IOR: U9.1 U16.6 U28.6
IOW: U7.11 U28.7
isa_iq_1: J2.12 J4.4
isa_iq_2: J5.12 J6.4
isa_iq_3: J7.12 J8.4
isa_iq_4: J9.12 J10.4
isa_iq_5: J1.12 J3.4 J13.12 J14.4
LA0: U13.9 U45.11
LA1: U13.10 U45.13
LA2: U13.11 U45.15
LA3: U13.12 U45.17
LA4: U13.13 U46.2
LA5: U13.14 U46.4
LA6: U13.15 U46.6
LA7: U13.16 U46.8
LA8: U13.17 U46.11
LA9: U13.18 U46.13
LA10: U13.19 U46.15
LA11: U13.20 U46.17
LA12: U13.22 U37.3 U43.2
LA13: U13.23 U37.6 U43.5
LA14: U13.24 U37.10 U43.14
LA15: U13.25 U37.13 U43.11
mA0: U8.12 U11.10 U26.2 U37.2 U42.1 U45.9 U47.4 U48.13
mA1: U8.11 U11.9 U26.3 U37.5 U42.2 U45.7 U47.5 U48.14
mA2: U8.10 U11.8 U26.4 U37.11 U45.5 U47.6 U48.2
mA3: U8.9 U11.7 U26.5 U37.14 U45.3 U47.7
mA4: U8.8 U11.6 U24.1 U26.6 U46.18
mA5: U8.7 U11.5 U24.2 U26.7 U46.16
mA6: U8.6 U11.4 U24.3 U26.8 U46.14
mA7: U8.5 U11.3 U23.15 U26.9 U46.12
mA8: U8.27 U11.25 U23.13 U27.2 U46.9
mA9: U8.26 U11.24 U23.11 U27.3 U46.7
mA10: U8.23 U11.21 U23.8 U27.4 U46.5
mA11: U1.13 U8.25 U11.23 U23.6 U27.5 U46.3
mA12: U1.9 U5.6 U8.4 U27.6 U43.4
mA13: U3.15 U8.28 U27.7 U43.7
mA14: U3.13 U8.3 U27.8 U43.12
mA15: U3.11 U8.31 U27.9 U43.9
mA16: U3.8 U8.2 U28.2 U44.4
mA17: U3.6 U8.30 U28.3 U44.7
mA18: U3.4 U8.1 U28.4 U44.12
mA19: U3.2 U4.2 U28.5 U44.9
mD0: U2.3 U8.13 U11.11 U22.12 U25.2 U32.2 U35.3 U36.3 U38.3 U41.18 U47.14 U48.18
mD1: U2.5 U8.14 U11.12 U25.3 U32.3 U35.4 U36.5 U38.4 U41.17 U47.13 U48.19
mD2: U2.7 U8.15 U11.13 U25.4 U32.4 U35.6 U36.7 U38.7 U41.16 U47.12 U48.20
mD3: U2.9 U8.17 U11.15 U25.5 U32.5 U35.11 U36.9 U38.8 U41.15 U47.11 U48.21
mD4: U2.12 U8.18 U11.16 U25.6 U32.6 U35.13 U36.12 U38.13 U41.14 U48.22
mD5: U2.14 U8.19 U11.17 U25.7 U32.7 U35.14 U36.14 U38.14 U41.13 U48.23
mD6: U2.16 U8.20 U11.18 U25.8 U32.8 U36.16 U41.12 U48.24
mD7: U2.18 U8.21 U11.19 U25.9 U32.9 U36.18 U41.11 U48.25
MMU-ENABLE: U22.9 U36.2 U37.1 U43.1 U44.1
MRDY: RR2.3 U13.2
PG: P11.15 RR1.6
PULLUP1: RR1.3 U47.15
PULLUP2: RR1.4 U11.26 U11.27
PULLUP3: K1.3 RR1.5
PWR_ON: P11.8 U12.5
R/W: U32.1 U34.12 U41.1 U42.3 U45.12 U48.28
RESET: J3.2 J4.2 J6.2 J8.2 J10.2 J14.2 U17.8
RTS: P18.4 U49.14
RTS_TTL: J11.2 U48.8 U49.11
RXD: P18.3 U49.8
RXD_TTL: J11.4 U48.12
SHADOW-IO: U5.4 U21.4 U23.2
SMEMR: U9.2 U16.8 U28.8
SMEMW: U16.3 U28.9
TC: J3.27 J4.27 J6.27 J8.27 J10.27 J14.27 U42.9
TXD: P18.5 U49.7
TXD_TTL: J11.5 U48.10 U49.10
W/R: U1.2 U6.9
XM16: P1.8 U2.8 U3.9 U44.2
XM17: P1.6 U2.6 U3.7 U44.5
XM18: P1.4 U2.4 U3.5 U44.14
XM19: P1.2 U1.5 U2.2 U3.3 U44.11
Net-(D1-A): C28.1 D1.2 R2.1 U19.3
Net-(D2-A): C35.1 D2.2 R3.1 U19.1
Net-(D3-K): C59.1 C60.1 D3.1 D4.1 U47.18
Net-(D4-A): D4.2 P16.1
Net-(J1-Pin_2): J1.2 J3.21
Net-(J1-Pin_4): J1.4 J3.22
Net-(J1-Pin_6): J1.6 J3.23
Net-(J1-Pin_8): J1.8 J3.24
Net-(J1-Pin_10): J1.10 J3.25
Net-(J2-Pin_2): J2.2 J4.21
Net-(J2-Pin_4): J2.4 J4.22
Net-(J2-Pin_6): J2.6 J4.23
Net-(J2-Pin_8): J2.8 J4.24
Net-(J2-Pin_10): J2.10 J4.25
Net-(J5-Pin_2): J5.2 J6.21
Net-(J5-Pin_4): J5.4 J6.22
Net-(J5-Pin_6): J5.6 J6.23
Net-(J5-Pin_8): J5.8 J6.24
Net-(J5-Pin_10): J5.10 J6.25
Net-(J7-Pin_2): J7.2 J8.21
Net-(J7-Pin_4): J7.4 J8.22
Net-(J7-Pin_6): J7.6 J8.23
Net-(J7-Pin_8): J7.8 J8.24